# Altium PCB CalibratorPCB_v1.PcbDoc (part 3 of 3)
Units mm, origin at the board's own origin, x right, y up, seen from the top; angles counter-clockwise.
Board outline 100 x 100 mm, 4 copper layers (Top Layer, GND Layer, Power Layer, Bottom Layer), stack 1.526 mm thick; 212 components, 158 nets, 815 pads, 422 vias.
Unrouted connection lines stored in the file: 1.
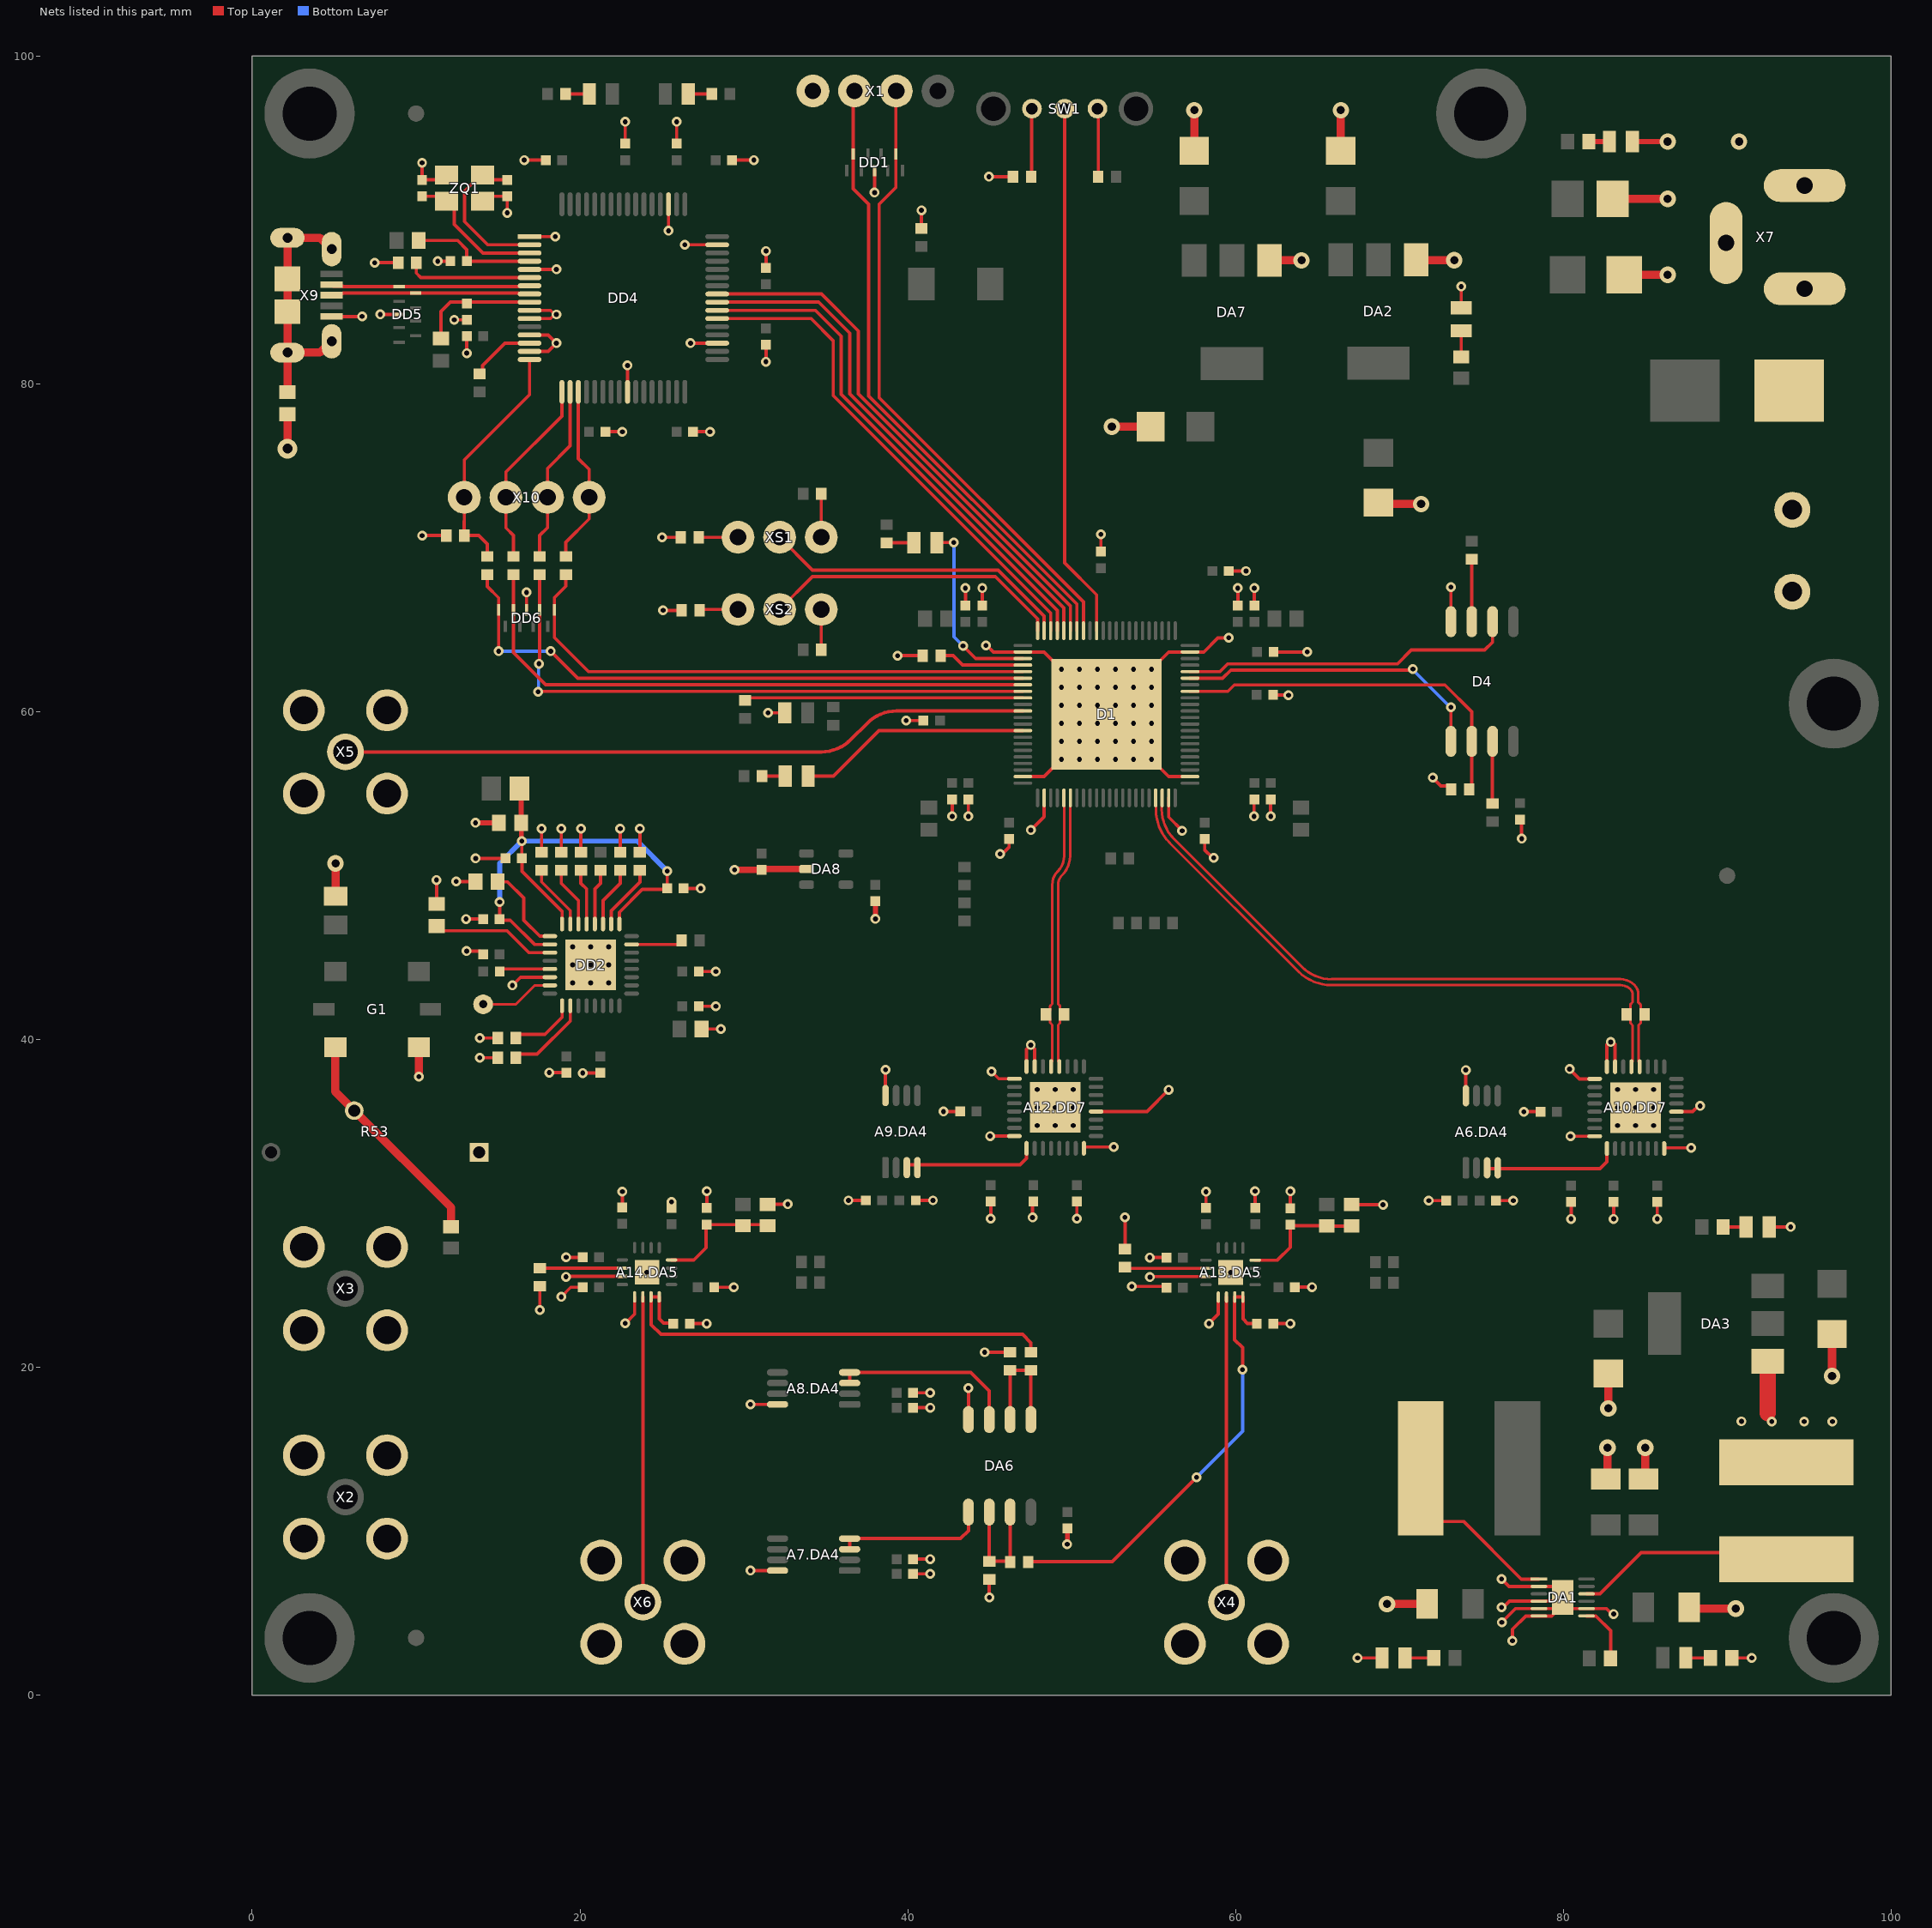
[diagram p5: the nets of this part, all layers, seen from the top]

## Via types
v1: diameter 0.6, hole 0.3, Top Layer to Bottom Layer, tented both sides, 330 vias
v2: diameter 0.6, hole 0.3, Top Layer to Bottom Layer, 65 vias
v3: diameter 1, hole 0.5, Top Layer to Bottom Layer, tented both sides, 25 vias
v4: diameter 2, hole 1, Top Layer to Bottom Layer, tented both sides, 1 vias
v5: diameter 1.2, hole 0.6, Top Layer to Bottom Layer, tented both sides, 1 vias

## Nets (pads, with @x,y where several pads share a name; then routed paths per layer and width w, separated by ;. In a path a pad name is that pad's centre, name@x,y a point inside that pad or via, vN(x,y) a via of type N, cw(c..) or ccw(c..) an arc to the next point about the centre after c; other vN are vias at no path point) (continued)
GND: A6.C40.1 A6.C41.1 A6.DA4.8 A7.C40.1 A7.C41.1 A7.DA4.8 A8.C40.1 A8.C41.1 A8.DA4.8 A9.C40.1 A9.C41.1 A9.DA4.8 A10.C62.2 A10.C63.2 A10.C64.2 A10.C65.2 A10.DD7.9 A10.DD7.16 A10.DD7.24 A10.DD7.28 A10.DD7.33 A12.C62.2 A12.C63.2 A12.C64.2 A12.C65.2 A12.DD7.9 A12.DD7.16 A12.DD7.24 A12.DD7.28 A12.DD7.33 A13.C55.2 A13.C56.1 A13.C57.2 A13.C58.2 A13.C59.2 A13.C60.2 A13.C61.2 A13.DA5.1 A13.DA5.15 A13.DA5.17 A13.R45.1 A13.R47.1 A14.C55.2 A14.C56.1 A14.C57.2 A14.C58.2 A14.C59.2 A14.C60.2 A14.C61.2 A14.DA5.1 A14.DA5.15 A14.DA5.17 A14.R45.1 A14.R47.1 C1.2 C2.2 C3.2 C4.2 C5.2 C6.2 C7.2 C9.1 C10.1 C11.2 C12.1 C13.2 C14.2 C15.2 C16.2 C17.1 C18.1 C19.2 C20.1 C21.2 C22.1 C23.2 C24.1 C25.2 C26.1 C27.2 C28.2 C29.1 C30.1 C31.1 C32.1 C33.1 C34.1 C35.2 C36.2 C37.2 C38.2 C39.2 C42.2 C43.1 C44.2 C45.2 C46.2 C47.1 C48.1 C49.1 C50.1 C51.1 C52.1 C53.1 C54.1 C66.1 C67.2 C68.2 C69.1 C70.1 D1.2 D1.21 D1.24 D1.43 D1.46 D1.65 D1.89 D3.1 D4.4 D5.1 D7.1 D8.1 D9.1 DA1.2 DA1.4 DA1.5 DA1.6 DA1.8 DA1.13 DA2.1 DA3.1 DA6.4 DA7.1 DA8.2 DD1.3 DD2.22 DD2.33 DD4.1 DD4.5 DD4.10 DD4.11 DD4.13 DD4.15 DD4.25 DD4.35 DD4.47 DD4.51 DD5.3 DD6.3 G1.2 L7.2 L8.2 R4.1 R5.1 R8.1 R9.1 R13.1 R16.1 R17.1 R18.1 R19.1 R20.1 R21.1 R22.1 R27.1 R29.2 R34.2 R42.2 R50.1 R52.1 R53.1 VD1.2 X1.4 X2.2 X2.3 X2.4 X2.5 X3.2 X3.3 X3.4 X3.5 X4.2 X4.3 X4.4 X4.5 X5.2 X5.3 X5.4 X5.5 X6.2 X6.3 X6.4 X6.5 X7.2 X7.3 X8.1 X9.5 ZQ1.2 ZQ1.4 | length 284
  Top Layer w0.2: X9.5@4.85,84.117 v1(6.706,84.117) ; v1(7.473,87.4) R34.2@8.914,87.4 ; v1(7.82,84.247) 8.42,84.247 8.425,84.242 DD5.3@8.973,84.242 ; v1(10.367,93.495) C48.1@10.367,92.456 11.569,92.456 ZQ1.2@11.86,92.747 ; v1(10.371,70.753) R42.2@11.838,70.753 ; C11.2@11.25,48.283 v1(11.25,49.739) ; v1(11.32,87.492) C49.1@12.093,87.492 ; v1(12.331,83.917) C54.1@13.093,83.917 ; v1(12.453,49.646) C10.1@13.623,49.646 ; v1(13.055,47.359) C28.2@14.101,47.359 ; v1(13.088,45.403) 13.906,45.403 C14.2@14.101,45.209 ; v1(13.093,81.879) C44.2@13.093,82.917 ; v1(13.633,51.054) C27.2@15.449,51.054 ; v1(13.893,38.896) R16.1@14.981,38.896 ; v1(13.893,40.095) R17.1@14.981,40.095 ; ZQ1.4@14.06,91.147 14.369,91.456 C47.1@15.556,91.456 15.566,91.446 v1(15.566,90.441) ; v1(15.882,43.309) 15.882,43.319 16.372,43.809 DD2.22@18.258,43.809 ; v1(16.598,93.662) C46.2@17.908,93.662 ; DD6.3@16.741,66.215 v1(16.741,67.284) ; DD4.15@16.925,81.992 18.065,81.992 v1(18.565,82.492) 18.065,82.992 DD4.13@16.925,82.992 ; DD4.11@16.925,83.992 18.206,83.992 v1@18.456,84.242 ; DD4.10@16.925,84.492 18.206,84.492 v1@18.456,84.242 ; DD4.5@16.925,86.992 v1(18.565,86.992) ; DD4.1@16.925,88.992 v1(18.49,88.992) ; v1(17.549,23.507) A14.R45.1@17.549,24.957 ; R20.1@17.658,51.437 v1(17.658,52.865) ; v1(18.126,37.989) 19.149,37.989 C15.2@19.168,37.971 ; v1(18.565,84.242) v1@18.456,84.242 ; v1(18.858,24.306) 19.439,24.888 A14.C58.2@20.17,24.888 ; R19.1@18.858,51.437 v1(18.858,52.865) ; v1(19.152,25.532) 19.177,25.557 A14.DA5.15@22.587,25.557 ; v1(19.156,26.719) A14.C59.2@20.17,26.719 ; R18.1@20.058,51.437 v1(20.058,52.865) ; v1(20.168,37.963) 21.234,37.963 C16.2@21.242,37.971 ; C50.1@21.549,77.088 v1(22.586,77.088) ; R21.1@22.458,51.437 v1(22.458,52.865) ; A14.C61.2@22.587,29.757 v1(22.587,30.732) ; C53.1@22.759,94.662 v1(22.759,95.995) ; v1(22.765,22.688) 23.337,23.26 A14.DA5.1@23.337,24.307 ; DD4.25@22.9,79.517 v1(22.9,81.128) ; R22.1@23.658,51.437 v1(23.658,52.865) ; v1(25.017,70.648) R4.1@26.15,70.648 ; v1(25.074,66.188) R5.1@26.2,66.188 ; v1(25.4,89.348) DD4.51@25.4,90.967 ; A14.C60.2@25.587,29.741 25.587,30.096 v1(25.589,30.098) ; C42.2@25.901,94.662 v1(25.901,95.995) ; C26.1@26.329,49.225 v1(27.371,49.225) ; v1(26.4,88.492) DD4.47@28.375,88.492 ; A14.C55.2@26.7,22.675 v1(27.732,22.675) ; v1(26.75,82.492) DD4.35@28.375,82.492 ; C51.1@26.9,77.088 v1(27.935,77.088) ; C12.1@27.25,42.032 v1(28.292,42.032) ; C13.2@27.25,44.156 v1(28.292,44.156) ; C17.1@27.425,40.646 v1(28.593,40.646) ; A14.C56.1@27.729,29.725 27.745,29.741 v1(27.745,30.757) ; A14.C57.2@28.192,24.888 v1(29.392,24.888) ; C43.1@29.273,93.662 v1(30.61,93.662) ; v1(30.405,7.608) A7.DA4.8@32.056,7.608 ; v1(30.405,17.747) A8.DA4.8@32.056,17.747 ; v1(31.35,81.356) C45.2@31.35,82.392 ; C52.1@31.35,87.081 31.357,87.087 v1(31.357,88.114) ; A14.R47.1@31.448,29.95 31.459,29.961 v1(32.674,29.961) ; v1(31.47,59.934) D3.1@32.495,59.934 ; v1(36.384,30.192) A9.C40.1@37.44,30.192 ; v1(37.977,91.681) DD1.3@37.977,93.032 ; A9.DA4.8@38.642,36.765 v1(38.642,38.156) ; v1(39.385,63.425) R13.1@40.911,63.425 ; v1(39.911,59.465) C5.2@40.961,59.465 ; A8.C41.1@40.327,18.452 v1(41.377,18.452) ; A7.C40.1@40.328,7.406 v1(41.377,7.406) ; A7.C41.1@40.328,8.308 v1(41.377,8.308) ; A8.C40.1@40.328,17.545 v1(41.378,17.545) ; A9.C41.1@40.494,30.192 v1(41.54,30.192) ; R9.1@40.835,89.498 v1(40.835,90.598) ; v1(42.182,35.615) A12.C62.2@43.204,35.615 ; v1(42.715,53.621) C20.1@42.715,54.659 ; C18.1@43.523,66.49 v1(43.523,67.547) ; v1(43.704,53.621) C21.2@43.704,54.659 ; DA6.4@43.705,16.826 v1(43.705,18.746) ; C19.2@44.55,66.49 v1(44.55,67.547) ; v1(44.7,20.926) R50.1@46.245,20.926 ; v1(44.775,64.05) 44.824,64.05 45.224,63.65 48.325,63.65 v2(49.375,62.6) ; v1(44.957,92.645) R8.1@46.432,92.645 ; v1(44.975,5.961) R52.1@44.975,7.076 ; v1(45.024,34.115) A12.DD7.16@46.504,34.115 ; v1(45.067,29.073) A12.C63.2@45.067,30.118 ; v1(45.11,38.059) 45.554,37.615 A12.DD7.9@46.504,37.615 ; v1(45.63,51.324) 45.707,51.4 45.826,51.4 46.19,51.764 46.19,52.24 C3.2@46.198,52.247 ; D1.21@47.025,56.05 48.325,56.05 v2(49.375,57.1) D1.89@52.125,59.85 ; v1(47.509,52.785) 48.325,53.6 D1.24@48.325,54.75 ; v1(47.617,29.15) 47.617,30.07 A12.C64.2@47.665,30.118 ; v1(50.325,29.073) A12.C65.2@50.325,30.118 ; A12.DD7.24@50.749,33.473 50.772,33.45 v1(52.575,33.45) ; A12.DD7.28@51.494,35.615 54.597,35.615 v1(55.925,36.942) ; C6.2@51.791,69.77 v1(51.791,70.825) ; A13.R45.1@53.259,27.22 v1(53.259,29.155) ; v1(53.678,24.945) 55.715,24.945 A13.C58.2@55.784,24.876 ; v1(54.77,26.707) A13.C59.2@55.784,26.707 ; v1(54.783,25.51) 54.817,25.545 A13.DA5.15@58.201,25.545 ; D1.43@55.925,54.75 55.925,53.58 v1@56.742,52.763 ; D1.46@57.225,56.05 55.925,56.05 D1.89@52.125,59.85 ; C4.2@58.117,52.247 58.117,51.58 58.601,51.096 v1(58.674,51.096) ; A13.C61.2@58.201,29.745 v1(58.201,30.72) ; v1(58.379,22.676) 58.951,23.248 A13.DA5.1@58.951,24.295 ; C1.2@59.59,68.59 v1(60.644,68.59) ; v1(59.593,64.519) 59.582,64.507 58.925,64.507 58.068,63.65 55.925,63.65 v2(54.875,62.6) D1.89@52.125,59.85 ; C25.2@60.142,66.49 v1(60.142,67.547) ; v1(61.129,53.621) 61.129,54.641 C23.2@61.147,54.659 ; C24.1@61.147,66.49 v1(61.147,67.547) ; v1(61.195,30.758) 61.195,29.735 A13.C60.2@61.201,29.729 ; v1(62.147,53.621) C22.1@62.147,54.659 ; C2.2@62.295,61.027 62.304,61.018 v1(63.236,61.018) ; A13.C55.2@62.301,22.676 v1(63.347,22.676) ; C7.2@62.323,63.656 62.329,63.65 v1(64.375,63.65) ; A13.C56.1@63.343,29.713 63.347,29.717 v1(63.347,30.746) ; A13.C57.2@63.625,24.9 v1(64.675,24.9) ; A13.R47.1@67.129,29.925 v1(69,29.925) ; v1(67.451,2.274) D5.1@68.94,2.274 ; v1(71.796,30.181) A6.C40.1@72.852,30.18 ; v1(72.037,55.984) 72.037,55.972 72.525,55.483 72.942,55.483 R27.1@73.159,55.266 ; D4.4@73.145,65.5 v1(73.145,67.607) ; D8.1@73.773,84.65 v1(73.773,85.947) ; A6.DA4.8@74.054,36.753 v1(74.054,38.144) ; A6.C41.1@75.905,30.18 v1(76.951,30.18) ; v1(76.24,5.372) 76.348,5.372 76.714,5.737 79.741,5.737 DA1.13@79.966,5.963 79.966,6.082 79.411,6.638 76.69,6.638 v1(76.24,7.087) ; v1(76.25,4.45) 77.087,5.288 DA1.13@79.411,5.288 ; v1(76.9,3.325) 76.9,4.027 77.71,4.838 79.294,4.838 79.411,4.955 DA1.13@79.411,5.288 ; C30.1@77.35,53.429 77.457,53.322 v1(77.457,52.261) ; v1(77.594,35.603) A10.C62.2@78.615,35.603 ; DA1.13@79.801,5.797 79.801,5.677 DA1.13@79.411,5.288 ; DA1.13@80.202,5.607 80.521,5.288 82.636,5.288 82.968,4.955 v1(83.077,4.955) ; v1(80.386,38.203) 80.986,37.603 A10.DD7.9@81.916,37.603 ; v1(80.436,34.103) A10.DD7.16@81.916,34.103 ; v1(80.479,29.061) A10.C63.2@80.479,30.106 ; v1(83.077,29.061) A10.C64.2@83.077,30.106 ; v1(85.737,29.061) A10.C65.2@85.737,30.106 ; A10.DD7.24@86.161,33.423 86.184,33.4 v1(87.8,33.4) ; A10.DD7.28@86.906,35.603 87.898,35.603 88.248,35.954 v1(88.357,35.954) ; R29.2@90.287,2.274 v1(91.501,2.274) ; D9.1@92.56,28.575 v1(93.875,28.575)
  Top Layer w0.3: v1(13.628,53.226) C29.1@15.058,53.226 ; v1(38.03,47.368) C70.1@38.03,48.443 ; v1(49.728,9.217) 49.739,9.228 49.739,10.165 C66.1@49.749,10.176 ; D7.1@84.215,94.79 v3(86.37,94.79)
  Top Layer w0.4: v1(29.43,50.356) C69.1@31.073,50.356 ; C69.1@31.077,50.325 cw(c31.27,50.133) 31.27,50.405 DA8.2@33.826,50.405 ; C69.1@31.077,50.387 cw(c31.108,50.355) C69.1@31.108,50.4
  Top Layer w0.5: v5(2.15,76.055) v5(2.15,76.055) 2.151,78.149 L8.2@2.153,78.15 ; C9.1@5.088,48.75 v3(5.088,50.752) ; v1(10.175,37.75) G1.2@10.175,39.541 ; v3(52.454,77.396) C68.2@54.819,77.396 ; C67.2@57.482,94.226 v3(57.482,96.705) ; DA7.1@62.082,87.546 v3(64.025,87.546) ; C36.2@66.424,94.226 v3(66.424,96.705) ; C37.2@68.725,72.759 68.804,72.68 v3(71.327,72.68) ; v3(69.245,5.571) C32.1@71.695,5.571 ; DA2.1@71.025,87.575 71.05,87.55 v3(73.35,87.55) ; C31.1@82.599,13.191 82.7,13.291 v3(82.7,15.1) ; v3(82.749,17.5) C39.2@82.749,19.629 ; C35.2@83.015,91.295 v3(86.37,91.295) ; VD1.2@83.715,86.66 v3(86.37,86.66) ; C33.1@84.902,13.191 85.002,13.291 v3(85.002,15.1) ; C34.1@87.682,5.372 87.766,5.288 v3(90.525,5.288) ; v3(96.4,19.471) C38.2@96.4,22.05
  Top Layer w1: 92.475,17.225 DA3.1@92.475,20.379
  Bottom Layer w0.4: v1@29.325,50.4 ccw(c29.43,50.505) v1(29.43,50.356)
  other v1: 80,5.925 92.725,16.701 94.7,16.701 96.425,16.701 90.875,16.712 56.742,52.747
  other v2: 59.701,25.795 24.087,25.807 47.899,34.765 48.999,34.765 50.099,34.765 83.311,34.753 84.411,34.753 85.511,34.753 83.311,35.853 84.411,35.853 85.511,35.853 47.899,35.865 48.999,35.865 50.099,35.865 47.899,36.965 48.999,36.965 50.099,36.965 83.311,36.953 84.411,36.953 85.511,36.953 19.558,43.459 20.658,43.459 21.758,43.459 19.558,44.559 20.658,44.559 21.758,44.559 19.558,45.659 20.658,45.659 21.758,45.659 50.475,57.1 51.575,57.1 52.675,57.1 53.775,57.1 54.875,57.1 49.375,58.2 50.475,58.2 51.575,58.2 52.675,58.2 53.775,58.2 54.875,58.2 49.375,59.3 50.475,59.3 51.575,59.3 52.675,59.3 53.775,59.3 54.875,59.3 49.375,60.4 50.475,60.4 51.575,60.4 52.675,60.4 53.775,60.4 54.875,60.4 49.375,61.5 50.475,61.5 51.575,61.5 52.675,61.5 53.775,61.5 54.875,61.5 50.475,62.6 51.575,62.6 52.675,62.6 53.775,62.6
  other v3: 90.727,94.79
HeaderUart_RX: D1.81 DD1.6 X1.2 | length 38.5
  Top Layer w0.2: X1.2@39.3,97.875 39.277,97.852 DD1.6@39.277,94.032 39.277,91.988 38.257,90.967 38.257,79.171 50.725,66.703 D1.81@50.725,64.95
HeaderUart_TX: D1.82 DD1.9 X1.3 | length 38.6
  Top Layer w0.2: X1.3@36.76,97.875 36.677,97.792 DD1.9@36.677,94.032 36.677,91.91 37.621,90.967 37.621,79.269 50.325,66.566 D1.82@50.325,64.95
JTAG_FTDI_TCK: DD4.16 R41.2 R42.1 X10.4 | length 14.8
  Top Layer w0.2: R41.2@14.341,69.478 14.341,70.238 13.821,70.758 12.943,70.758 R42.1@12.938,70.753 12.938,71.638 12.942,71.642 X10.4@12.942,73.083 12.942,75.363 16.925,79.347 DD4.16@16.925,81.492
JTAG_FTDI_TDI: DD4.17 R40.2 X10.3 | length 11.6
  Top Layer w0.2: R40.2@15.941,69.478 15.941,70.758 15.482,71.217 X10.3@15.482,73.083 15.482,74.627 18.9,78.046 DD4.17@18.9,79.517
JTAG_FTDI_TDO: DD4.18 R39.2 X10.2 | length 10.8
  Top Layer w0.2: R39.2@17.541,69.478 17.541,70.758 18.022,71.238 X10.2@18.022,73.083 18.022,74.847 19.4,76.226 DD4.18@19.4,79.517
JTAG_FTDI_TMS: DD4.19 R38.2 X10.1 | length 10.9
  Top Layer w0.2: R38.2@19.141,69.478 19.141,70.349 20.562,71.77 X10.1@20.562,73.083 20.562,74.792 19.9,75.453 DD4.19@19.9,79.517
JTAG_TCK: D1.6 DD6.5 R41.1 | length 37.6
  Top Layer w0.2: R41.1@14.341,68.378 14.341,67.652 15.041,66.952 DD6.5@15.041,66.215 v1(15.041,63.7) ; v1(18.216,63.7) 19.866,62.05 D1.6@47.025,62.05
  Bottom Layer w0.2: v1(15.041,63.7) v1(18.216,63.7)
JTAG_TDI: D1.7 DD6.4 R40.1 | length 36.7
  Top Layer w0.2: R40.1@15.941,68.378 DD6.4@15.941,66.215 15.941,63.607 17.898,61.65 D1.7@47.025,61.65
JTAG_TDO: D1.8 DD6.2 R39.1 | length 36.8
  Top Layer w0.2: v1(17.441,61.221) 17.47,61.25 D1.8@47.025,61.25 ; v1(17.5,62.932) 17.541,62.973 DD6.2@17.541,66.215 R39.1@17.541,68.378
  Bottom Layer w0.2: v1(17.441,61.221) 17.471,61.251 17.471,62.903 v1(17.5,62.932)
JTAG_TMS: D1.5 DD6.1 R38.1 | length 33.6
  Top Layer w0.2: R38.1@19.141,68.378 19.141,67.659 18.441,66.959 DD6.1@18.441,66.215 18.441,64.524 20.515,62.45 D1.5@47.025,62.45
JTAGSEL_N: D1.4 R13.2 | length 5.3
  Top Layer w0.2: R13.2@42.011,63.425 42.771,63.425 43.346,62.85 D1.4@47.025,62.85
LED_FPGA1: D1.3 D2.1 | length 11.5
  Top Layer w0.2: D2.1@41.779,70.322 41.782,70.326 v1(42.811,70.326) ; v1(43.375,64.021) 44.146,63.25 D1.3@47.025,63.25
  Bottom Layer w0.2: v1@42.824,70.327 42.824,64.571 v1(43.375,64.021)
LED_FPGA2: D1.14 D12.1 | length 14.2
  Top Layer w0.2: D12.1@33.925,56.075 35.475,56.075 38.25,58.85 D1.14@47.025,58.85
MCLK: D1.59 D4.6 R27.2 | length 22.8
  Top Layer w0.2: D1.59@57.225,61.25 59.538,61.25 59.931,61.643 72.782,61.643 74.415,60.01 D4.6@74.415,58.2 74.415,55.423 R27.2@74.259,55.266
MISO: D1.62 D4.2 | length 20.5
  Top Layer w0.2: D1.62@57.225,62.45 59.054,62.45 59.523,62.919 69.88,62.919 70.726,63.765 75.2,63.765 75.685,64.25 D4.2@75.685,65.5
MODE0: D1.88 XS2.2 | length 18.4
  Top Layer w0.2: XS2.2@32.183,66.248 34.182,68.248 45.347,68.248 47.925,65.671 D1.88@47.925,64.95
MODE1: D1.87 XS1.2 | length 19
  Top Layer w0.2: XS1.2@32.183,70.648 34.183,68.648 45.51,68.648 48.325,65.834 D1.87@48.325,64.95
MOSI: D1.61 D4.5 | length 19.2
  Top Layer w0.2: D1.61@57.225,62.05 59.216,62.05 59.716,62.55 70.772,62.55 v1(70.827,62.605) ; D4.5@73.145,58.2 v1(73.145,60.28)
  Bottom Layer w0.2: v1(70.827,62.605) 70.827,62.554 73.101,60.28 v1(73.145,60.28)
NetA6.DA4_3: A6.DA4.3 A6.DA4.4 A10.DD7.17 | length 8.4
  Top Layer w0.2: A6.DA4.3@75.354,32.178 75.4,32.132 82.237,32.132 82.661,32.556 A10.DD7.17@82.661,33.358 A10.DD7.17@82.661,33.478
NetA7.DA4_3: A7.DA4.3 A7.DA4.4 DA6.5 | length 9.2
  Top Layer w0.21: A7.DA4.3@36.456,8.908 A7.DA4.4@36.456,9.558 43.221,9.558 43.705,10.042 DA6.5@43.705,11.176
NetA8.DA4_3: A8.DA4.3 A8.DA4.4 DA6.3 | length 11.4
  Top Layer w0.21: A8.DA4.3@36.456,19.047 A8.DA4.4@36.456,19.697 43.841,19.697 44.975,18.563 DA6.3@44.975,16.826
NetA9.DA4_3: A9.DA4.3 A9.DA4.4 A12.DD7.17 | length 8.2
  Top Layer w0.225: A9.DA4.3@39.942,32.365 46.853,32.365 47.249,32.762 A12.DD7.17@47.249,33.37 A12.DD7.17@47.249,33.49
NetA10.DD7_7: A10.DD7.7 A10.DD7.8 | length 3.3
  Top Layer w0.2: A10.DD7.8@82.661,38.228 A10.DD7.8@82.661,38.348 82.661,39.691 82.822,39.852 v1(82.895,39.852) ; A10.DD7.7@83.161,38.228 A10.DD7.7@83.161,38.348 v1@83.161,39.727
NetA12.DD7_7: A12.DD7.7 A12.DD7.8 | length 3.1
  Top Layer w0.2: A12.DD7.8@47.249,38.24 A12.DD7.8@47.249,38.36 47.249,39.412 v1(47.508,39.67) 47.749,39.429 A12.DD7.7@47.749,38.36 A12.DD7.7@47.749,38.24
NetA13.C55_1: A13.C55.1 A13.DA5.3 A13.DA5.4 R51.1 | length 27.6
  Top Layer w0.21: R51.1@47.35,8.125 47.375,8.15 52.478,8.15 v1(57.619,13.291) ; v1(60.429,19.867) 60.429,21.215 59.951,21.693 A13.DA5.3@59.951,24.295 A13.DA5.4@60.451,24.295 60.451,22.961 60.731,22.682 61.296,22.682 A13.C55.1@61.301,22.676
  Bottom Layer w0.21: v1(57.619,13.291) 60.429,16.102 v1(60.429,19.867)
NetA13.C56_2: A13.C56.2 A13.DA5.8 A13.R46.1 A13.R47.2 | length 7.6
  Top Layer w0.2: A13.DA5.8@61.201,26.545 62.565,26.545 63.343,27.323 A13.C56.2@63.343,28.713 63.407,28.649 A13.R46.1@65.568,28.649 ; A13.R46.1@65.593,28.613 A13.R47.2@67.068,28.613
  Top Layer w0.3: A13.R46.1@65.568,28.638 A13.R46.1@65.593,28.613
NetA13.DA5_14: A13.DA5.14 A13.R45.2 | length 5
  Top Layer w0.2: A13.R45.2@53.259,26.12 53.334,26.045 A13.DA5.14@58.201,26.045
NetA14.C55_1: A14.C55.1 A14.DA5.3 A14.DA5.4 R49.1 | length 28.7
  Top Layer w0.21: A14.C55.1@25.63,22.694 25.106,22.694 24.837,22.963 A14.DA5.4@24.837,24.307 A14.DA5.3@24.337,24.307 24.337,22.613 24.935,22.015 47.015,22.015 47.515,21.515 R49.1@47.515,20.926
NetA14.C56_2: A14.C56.2 A14.DA5.8 A14.R46.1 A14.R47.2 | length 7.6
  Top Layer w0.2: A14.DA5.8@25.587,26.557 26.951,26.557 27.692,27.297 27.692,28.688 A14.C56.2@27.729,28.725 27.746,28.709 31.371,28.709 A14.R47.2@31.454,28.625
NetA14.DA5_14: A14.DA5.14 A14.R45.2 | length 5
  Top Layer w0.2: A14.R45.2@17.549,26.057 A14.DA5.14@22.587,26.057
NetC8_2: C8.2 DD2.21 | length 3.2
  Top Layer w0.2: C8.2@15.101,44.108 15.301,44.309 DD2.21@18.258,44.309
NetC10_2: C10.2 DD2.17 | length 5.5
  Top Layer w0.2: C10.2@14.976,49.646 14.991,49.63 15.583,49.63 16.566,48.647 16.566,47.292 17.549,46.309 DD2.17@18.258,46.309
NetC11_1: C11.1 DD2.19 | length 7.7
  Top Layer w0.2: C11.1@11.25,46.933 11.537,46.646 15.543,46.646 16.879,45.309 DD2.19@18.258,45.309
NetC26_2: C26.2 C27.1 C28.1 C29.2 DD2.9 DD2.16 DD2.18 L5.1 | length 33.6
  Top Layer w0.2: C28.1@15.101,47.359 v1(15.101,48.395) ; C28.1@15.105,47.363 15.183,47.285 15.749,47.285 17.225,45.809 DD2.18@18.258,45.809 ; v1(16.449,52.113) C27.1@16.449,51.054 16.472,51.031 16.472,50.264 18.908,47.828 DD2.16@18.908,46.959 ; DD2.9@22.408,46.959 22.408,47.768 23.803,49.163 25.266,49.163 C26.2@25.329,49.225 v1(25.329,50.282)
  Top Layer w0.3: L5.1@16.304,55.326 16.408,55.221 C29.2@16.408,53.226 16.428,53.206 16.428,52.133 v1(16.449,52.113)
  Bottom Layer w0.3: v1(15.101,48.395) 15.101,50.765 v1(16.449,52.113) 23.498,52.113 v1(25.329,50.282)
NetD2_2: D2.2 R10.1 | length 1.7
  Top Layer w0.2: R10.1@38.714,70.314 38.722,70.322 D2.2@40.379,70.322
NetD4_3: D4.3 R25.2 | length 3.8
  Top Layer w0.2: D4.3@74.415,65.5 R25.2@74.415,69.3
NetD4_7: D4.7 R26.2 | length 3.9
  Top Layer w0.2: D4.7@75.668,58.2 75.668,54.369 R26.2@75.683,54.354
NetD5_2: D5.2 R28.2 | length 1.8
  Top Layer w0.2: D5.2@70.34,2.274 R28.2@72.095,2.274
NetD6_2: D6.2 R29.1 | length 1.7
  Top Layer w0.2: D6.2@87.3,2.274 R29.1@88.987,2.274
NetD7_2: D7.2 R31.1 | length 1.2
  Top Layer w0.3: R31.1@81.565,94.79 D7.2@82.815,94.79
NetD8_2: D8.2 R32.1 | length 1.6
  Top Layer w0.2: R32.1@73.773,81.65 D8.2@73.773,83.25
NetD9_2: D9.2 R33.1 | length 1.4
  Top Layer w0.2: R33.1@89.754,28.575 D9.2@91.16,28.575
NetD10_2: D10.2 R36.1 | length 1.4
  Top Layer w0.2: R36.1@19.128,97.698 D10.2@20.578,97.698
NetD11_2: D11.2 R37.1 | length 1.4
  Top Layer w0.2: D11.2@26.602,97.698 R37.1@28.052,97.698
NetD12_2: D12.2 R60.1 | length 1.4
  Top Layer w0.2: R60.1@31.1,56.075 D12.2@32.525,56.075
NetDA1_1: DA1.1 L6.2 | length 11.2
  Top Layer w0.2: L6.2@71.3,13.85 71.3,11.905 72.6,10.605 73.92,10.605 77.438,7.087 DA1.1@78.515,7.087
NetDA1_7: DA1.7 R30.1 | length 3.5
  Top Layer w0.2: DA1.7@81.418,4.838 81.989,4.838 82.887,3.939 R30.1@82.887,2.249
NetDA1_10: DA1.10 L7.1 | length 13.4
  Top Layer w0.2: DA1.10@81.418,6.188 82.237,6.188 84.749,8.699 93.217,8.699 L7.1@93.606,8.31
NetDA6_1: DA6.1 DA6.2 R49.2 R50.2 | length 7.3
  Top Layer w0.21: DA6.2@46.245,16.826 R50.2@46.245,19.826 R49.2@47.515,19.826 DA6.1@47.515,16.826
NetDA6_6: DA6.6 DA6.7 R51.2 R52.2 | length 7.3
  Top Layer w0.21: DA6.6@44.975,11.176 R52.2@44.975,8.176 46.245,8.176 DA6.7@46.245,11.176
NetDD2_7: DD2.7 R14.1 | length 3.3
  Top Layer w0.16: R14.1@25.955,45.757 26.2,46.002 R14.1@26.2,46.05
  Top Layer w0.2: DD2.7@23.058,45.809 R14.1@25.955,45.809
NetDD2_10: DD2.10 R22.2 | length 4.1
  Top Layer w0.2: DD2.10@21.908,46.959 21.908,47.865 23.658,49.615 R22.2@23.658,50.337
NetDD2_11: DD2.11 R21.2 | length 3.8
  Top Layer w0.2: DD2.11@21.408,46.959 21.408,48.493 22.458,49.543 R21.2@22.458,50.337
NetDD2_12: DD2.12 R23.1 | length 3.5
  Top Layer w0.2: DD2.12@20.908,46.959 20.908,49.193 21.258,49.543 R23.1@21.258,50.337
NetDD2_13: DD2.13 R18.2 | length 3.5
  Top Layer w0.2: R18.2@20.058,50.337 20.058,49.543 20.408,49.193 DD2.13@20.408,46.959
NetDD2_14: DD2.14 R19.2 | length 3.8
  Top Layer w0.2: R19.2@18.858,50.337 18.858,49.543 19.908,48.493 DD2.14@19.908,46.959
NetDD2_15: DD2.15 R20.2 | length 4.1
  Top Layer w0.2: R20.2@17.658,50.337 17.658,49.625 19.408,47.875 DD2.15@19.408,46.959
NetDD2_23: DD2.23 X11.1 | length 4.5
  Top Layer w0.157: X11.1@14.094,42.159 16.087,42.159 17.237,43.309 DD2.23@18.163,43.309
NetDD2_25: DD2.25 R17.2 | length 4.2
  Top Layer w0.2: R17.2@16.081,40.095 16.3,40.314 17.867,40.314 18.908,41.355 DD2.25@18.908,42.159
NetDD2_26: DD2.26 R16.2 | length 5.3
  Top Layer w0.2: R16.2@16.081,38.896 16.304,39.119 17.39,39.119 19.408,41.137 DD2.26@19.408,42.159
NetDD4_6: DD4.6 R34.1 | length 7.7
  Top Layer w0.2: R34.1@10.014,87.4 10.014,86.766 10.289,86.492 DD4.6@16.925,86.492
NetDD4_14: DD4.14 R35.1 | length 4
  Top Layer w0.2: R35.1@13.87,80.625 14.057,80.812 14.057,81.133 15.416,82.492 DD4.14@16.925,82.492
NetG1_1: G1.1 R24.1 R53.2 | length 13.9
  Top Layer w0.5: G1.1@5.075,39.541 5.075,36.82 R53.2@6.225,35.67 12.137,29.758 R24.1@12.137,28.588
NetL8_1: L8.1 X9.6 | length 16
  Top Layer w0.5: L8.1@2.153,79.5 2.151,79.501 2.151,81.916 X9.6@2.15,81.917 ; X9.6@4.85,82.917 4.85,82.633 4.135,81.917 X9.6@2.15,81.917 ; X9.6@4.85,87.917 4.85,88.201 4.135,88.917 X9.6@2.15,88.917 X9.6@2.15,86.417 X9.6@2.15,84.417 X9.6@2.15,81.917
NetR1_1: R1.1 XS1.1 | length 2.7
  Top Layer w0.2: XS1.1@34.723,70.648 R1.1@34.723,73.3
NetR2_1: R2.1 XS2.1 | length 2.5
  Top Layer w0.2: R2.1@34.723,63.779 XS2.1@34.723,66.248
NetR4_2: R4.2 XS1.3 | length 2.4
  Top Layer w0.2: R4.2@27.25,70.648 XS1.3@29.643,70.648
NetR5_2: R5.2 XS2.3 | length 2.4
  Top Layer w0.2: R5.2@27.3,66.188 27.36,66.248 XS2.3@29.643,66.248
NetR7_1: R7.1 SW1.1 | length 4.1
  Top Layer w0.2: R7.1@51.618,92.645 51.628,92.655 SW1.1@51.628,96.741
NetR8_2: R8.2 SW1.3 | length 4.1
  Top Layer w0.2: R8.2@47.532,92.645 47.567,92.68 SW1.3@47.567,96.741
Node_Clk: D1.11 X5.1 | length 42.1
  Top Layer w0.21: X5.1@5.69,57.555 34.725,57.555 ccw(c34.725,60.095) 36.521,58.299 37.528,59.306 cw(c39.324,57.51) 39.324,60.05 D1.11@47.025,60.05
OSCI: C47.2 DD4.2 ZQ1.1 | length 9.5
  Top Layer w0.2: C47.2@15.556,92.456 14.351,92.456 ZQ1.1@14.06,92.747 13.935,92.747 12.956,91.769 12.956,89.905 14.369,88.492 DD4.2@16.925,88.492
OSCO: C48.2 DD4.3 ZQ1.3 | length 8.5
  Top Layer w0.2: C48.2@10.367,91.456 11.551,91.456 ZQ1.3@11.86,91.147 12.331,90.677 12.331,89.741 14.08,87.992 DD4.3@16.925,87.992
"Power Input": FU1.1 X7.1 X8.2
RECONFIG_N: D1.9 R12.1 | length 17
  Top Layer w0.2: R12.1@30.075,60.69 30.235,60.85 D1.9@47.025,60.85
SMA_Voltage_1: A13.DA5.2 X4.1 | length 18.6
  Top Layer w0.21: X4.1@59.451,5.675 A13.DA5.2@59.451,24.295
SMA_Voltage_2: A14.DA5.2 X6.1 | length 18.6
  Top Layer w0.21: X6.1@23.837,5.675 23.837,20.4 ; 23.837,20.4 A14.DA5.2@23.837,24.306
SPI_CS: D1.83 DD4.41 | length 33.2
  Top Layer w0.2: DD4.41@28.375,85.492 34.728,85.492 36.988,83.232 36.988,79.398 49.925,66.461 D1.83@49.925,64.95
SPI_DI: D1.84 DD4.40 | length 32.4
  Top Layer w0.2: DD4.40@28.375,84.992 34.566,84.992 36.458,83.1 36.458,79.398 49.525,66.332 D1.84@49.525,64.95
Trigger1_N: A10.DD7.5 A10.R48.1 D1.41 | length 39.7
  Top Layer w0.157: D1.41@55.125,54.75 55.125,54.279 ccw(c55.161,54.279) D1.41@55.135,54.253 ; D1.41@55.135,54.253 cw(c55.109,54.227) 55.146,54.227 55.146,54.04 ccw(c58.04,54.04) 55.994,51.993 63.812,44.175 ccw(c65.858,46.221) 65.858,43.327 71.796,43.327 78.293,43.327 83.49,43.327 cw(c83.49,42.465) 84.1,43.075 cw(c83.796,42.771) 84.226,42.771 84.226,42.288 84.106,42.169 84.106,41.787 A10.R48.1@83.862,41.542 84.108,41.296 84.108,40.996 84.233,40.872 ; A10.DD7.5@84.161,38.228 A10.DD7.5@84.161,38.348 A10.DD7.5@84.161,38.578 ; A10.DD7.5@84.232,38.649 84.232,40.872
Trigger1_P: A10.DD7.4 A10.R48.2 D1.42 | length 39.7
  Top Layer w0.157: D1.42@55.514,54.253 ccw(c55.54,54.227) 55.503,54.227 55.503,54.041 ccw(c58.043,54.041) 56.247,52.245 64.063,44.428 ccw(c65.859,46.225) 65.859,43.685 70.412,43.685 71.796,43.685 79.43,43.685 82.036,43.685 83.494,43.685 cw(c83.494,42.474) 84.35,43.33 84.354,43.326 cw(c83.8,42.773) 84.583,42.773 84.583,42.27 84.716,42.137 84.716,41.787 A10.R48.2@84.962,41.542 84.715,41.296 84.715,40.997 84.59,40.872 ; D1.42@55.514,54.253 ccw(c55.488,54.279) 55.525,54.279 D1.42@55.525,54.75 ; A10.DD7.4@84.591,38.649 84.591,40.872 ; A10.DD7.4@84.661,38.228 A10.DD7.4@84.661,38.348 A10.DD7.4@84.661,38.578
Trigger2_N: A12.DD7.5 A12.R48.1 D1.27 | length 17
  Top Layer w0.157: A12.DD7.5@48.749,38.24 A12.DD7.5@48.749,38.36 A12.DD7.5@48.749,38.59 ; A12.DD7.5@48.82,38.661 48.82,40.9 48.693,41.028 48.693,41.296 A12.R48.1@48.446,41.542 48.693,41.789 48.693,42.058 48.818,42.183 48.818,49.443 cw(c50.003,49.443) 49.165,50.281 ; D1.27@49.525,54.75 49.525,54.263 49.546,54.242 49.546,51.2 cw(c48.249,51.2) 49.166,50.282 ; 49.165,50.281 49.166,50.282
Trigger2_P: A12.DD7.4 A12.R48.2 D1.28 | length 16.9
  Top Layer w0.157: A12.DD7.4@49.179,38.661 49.179,40.9 49.3,41.022 49.3,41.296 A12.R48.2@49.546,41.542 49.3,41.789 49.3,42.058 49.175,42.183 49.175,49.442 cw(c50.007,49.442) 49.419,50.03 49.419,50.031 ccw(c48.252,51.198) 49.903,51.198 49.903,54.242 49.925,54.263 D1.28@49.925,54.75 ; A12.DD7.4@49.249,38.24 A12.DD7.4@49.249,38.36 A12.DD7.4@49.249,38.59
UART_RX_SPI_DO: D1.85 DD4.39 | length 31.6
  Top Layer w0.2: DD4.39@28.375,84.492 34.363,84.492 35.934,82.921 35.934,79.38 49.125,66.189 D1.85@49.125,64.95
UART_TX_SPI_CLK: D1.86 DD4.38 | length 30.8
  Top Layer w0.2: DD4.38@28.375,83.992 34.11,83.992 35.45,82.652 35.45,79.305 48.725,66.031 D1.86@48.725,64.95
USB_N: DD4.7 DD5.1 X9.2 | length 12.1
  Top Layer w0.2: X9.2@4.85,86.067 4.95,85.967 5.517,85.967 5.542,85.942 16.273,85.942 16.323,85.992 DD4.7@16.925,85.992
USB_P: DD4.8 DD5.9 X9.3 | length 12.1
  Top Layer w0.2: X9.3@4.85,85.417 4.95,85.517 5.517,85.517 5.542,85.542 16.273,85.542 16.323,85.492 DD4.8@16.925,85.492
UserSwitch: D1.79 SW1.2 | length 32.7
  Top Layer w0.2: SW1.2@49.578,96.796 49.578,69.081 51.525,67.134 D1.79@51.525,64.95
VPHY: C49.2 DD4.4 L9.2 | length 7.7
  Top Layer w0.2: L9.2@10.155,88.754 12.541,88.754 13.093,88.201 C49.2@13.093,87.492 DD4.4@16.925,87.492
VPLL: C54.2 DD4.9 L10.2 | length 7.3
  Top Layer w0.2: L10.2@11.523,82.769 11.523,84.417 12.098,84.992 DD4.9@16.925,84.992
pads on no net: A10.DD7.3 A10.DD7.6 A10.DD7.11 A10.DD7.12 A10.DD7.14 A10.DD7.15 A12.DD7.3 A12.DD7.6 A12.DD7.11 A12.DD7.12 A12.DD7.14 A12.DD7.15 D1.13 D1.34 D1.38 DA8.5 DD1.1 DD1.2 DD1.4 DD1.5 DD1.7 DD1.8 DD2.2 DD2.3 DD2.8 DD2.24 DD2.28 DD2.29 DD4.21 DD4.22 DD4.23 DD4.24 DD4.26 DD4.27 DD4.28 DD4.29 DD4.30 DD4.32 DD4.33 DD4.34 DD4.36 DD4.43 DD4.44 DD4.45 DD4.46 DD4.48 DD4.52 DD4.53 DD4.57 DD4.58 DD4.59 DD4.60 DD4.61 DD4.62 DD4.63 DD5.2 DD5.4 DD5.5 DD5.6 DD5.7 DD5.8 DD6.6 DD6.7 DD6.8 DD6.9 G1.3 OTH1.0 OTH2.0 OTH3.0 R53.3 SW1. X9.1 X9.4

## Polygon pours and split planes (outlines as drawn)
+1V3 on Top Layer "Bottom GND Pour" (solid, remove dead copper, pour order 12): 35.26,48.918 35.247,50.111 35.741,50.605 36.637,50.605 37.711,51.543 41.87,51.543 43.134,50.804 43.134,50.279 42.341,50.111 41.733,49.63 39.372,49.63 38.916,49.282 37.523,49.282 36.799,48.696 36.218,48.696 35.482,48.696
Fused_5V on Top Layer "Top Fused 5V Poly" (solid, remove dead copper, pour order 11): 58.64,86.098 55.925,86.098 55.925,92.645 68.019,92.628 68.316,92.925 80.312,92.925 80.312,89.713 68.163,89.713 67.625,89.175 67.625,86.098 65.452,86.098 64.892,86.658 64.892,89.501 64.018,90.375 59.525,90.375 58.64,89.49
+3V3 on Top Layer "3V3 LDO Tab" (solid, remove dead copper, pour order 4): 56.55,82.85 71.875,82.85 71.875,75.403 69.731,74.45 59.075,74.45 56.55,75.479
GND on Top Layer "Connector GND" (solid, remove dead copper, pour order 0): 90.179,85 89.871,85 81.961,85 81.986,89.206 81.663,89.529 81.663,92.905 84.11,93.335 84.11,95.925 95.3,95.925 97.287,94.701 98.425,92.8 98.425,90.65 97.662,89.206 96.125,88.35 92.746,88.35
"Power Input" on Top Layer "Connector Power" (solid, remove dead copper, pour order 3): 92.655,87.432 97.085,87.432 97.95,86.675 97.95,71.175 96.975,70.2 91.925,70.2 90.525,71.6 90.727,84.863
GND on Top Layer "L7 GND Poly" (solid, remove dead copper, pour order 7): 97.537,11.812 98.325,12.6 98.325,15.925 96.75,17.5 90.525,17.5 88.928,15.903 88.928,12.522 89.637,11.812
GND on Bottom Layer "Bottom GND" (solid, remove dead copper, pour order 9): 0,0 0,100 100,100 100,0
no net on Bottom Layer "Bottom GND Pour" (solid, remove dead copper, pour order 10): 48.759,63.216 55.493,63.216 55.493,56.484 48.756,56.484 48.756,63.219
+3V3 on Power Layer (split plane): 99.49,0.51 0.51,0.51 0.51,99.49 99.49,99.49
+5V on Power Layer (split plane): 66.335,22.796 66.335,16.904 66.343,16.865 66.365,16.832 75.301,7.896 75.301,7.462 74.744,6.905 74.117,6.905 65.139,15.883 65.139,22.239 65.131,22.278 65.109,22.311 64.184,23.236 64.126,23.294 64.093,23.316 64.054,23.324 20.479,23.324 20.479,24.32 64.811,24.32
+3V3_Analog on Power Layer (split plane): 66.512,31.25 66.52,31.211 66.542,31.178 73.976,23.744 74.009,23.722 74.048,23.714 81.048,23.714 81.048,22.661 81.048,21.352 74.251,21.352 64.925,30.678 64.18,31.423 64.146,31.445 64.107,31.453 20.352,31.453 20.352,32.466 65.559,32.466 65.575,32.463 65.59,32.466 66.512,32.466
-5V on Power Layer (split plane): 64.706,28.403 71.423,21.685 71.423,19.9 71.431,19.861 71.447,19.837 71.447,17.404 71.455,17.365 71.477,17.332 80.304,8.505 80.337,8.483 80.376,8.475 85.401,8.475 85.635,8.242 85.635,7.085 85.519,6.969 80.213,6.969 70.382,16.8 70.382,20.919 70.374,20.958 70.352,20.991 64.01,27.333 63.977,27.355 63.938,27.362 20.699,27.362 20.699,28.403
+1V3 on Power Layer (split plane): 42.329,51.169 42.614,50.884 42.614,48.235 42.621,48.196 42.643,48.162 44.603,46.203 44.636,46.181 44.675,46.173 56.558,46.173 56.848,45.883 56.848,45.442 56.526,45.12 43.006,45.12 41.247,46.879 39.209,48.916 39.176,48.939 39.137,48.946 35.669,48.946 35.367,49.248 35.367,50.903 35.911,51.447 42.051,51.447
Fused_5V on Power Layer (split plane): 77.228,92.828 77.869,92.187 77.869,73.699 77.877,73.66 77.899,73.627 97.633,53.893 97.633,26.204 97.633,24.877 88.375,15.619 88.353,15.586 88.345,15.547 88.345,11.176 88.345,11.014 87.808,10.477 79.642,10.477 79.352,10.767 79.352,11.982 86.358,11.982 86.397,11.99 86.43,12.012 86.906,12.488 86.928,12.521 86.936,12.56 86.936,16.769 95.017,24.85 95.039,24.883 95.047,24.922 95.047,26.175 95.047,52.339 95.039,52.378 95.017,52.412 74.724,72.705 74.724,88.124 74.716,88.163 74.694,88.196 73.596,89.294 73.563,89.316 73.524,89.324 68.661,89.324 67.883,90.102 67.883,92.439 68.467,93.023 77.033,93.023
GND on GND Layer (split plane): 99.49,0.51 0.51,0.51 0.51,99.49 99.49,99.49

## Other copper
Power Layer (plane layer: these items are gaps in the copper):
  lines w0.2: 65.575,32.565 65.578,32.568 ; 88.447,11.176 88.447,10.972 ; 65.578,32.568 66.614,32.568 66.614,31.25 74.048,23.816 81.15,23.816 81.15,22.661 81.15,21.25 74.209,21.25 64.853,30.605 64.107,31.351 21.975,31.351 20.25,31.351 20.25,32.568 21.02,32.568 65.578,32.568 ; 88.447,10.972 88.447,15.547 97.735,24.835 97.735,26.204 97.735,53.935 77.971,73.699 77.971,92.229 77.3,92.9 77.075,93.125 68.425,93.125 67.781,92.481 67.781,90.06 68.619,89.222 73.524,89.222 74.622,88.124 74.622,72.662 94.945,52.339 94.945,26.175 94.945,24.922 86.834,16.811 86.834,12.56 86.358,12.084 79.25,12.084 79.25,10.725 79.6,10.375 87.85,10.375 88.447,10.972 ; 20.377,23.222 64.054,23.222 64.112,23.164 65.037,22.239 65.037,15.84 74.074,6.803 74.787,6.803 75.403,7.419 75.403,7.938 66.437,16.904 66.437,22.838 64.853,24.422 20.377,24.422 20.377,23.222 ; 20.597,27.26 63.938,27.261 70.28,20.919 70.28,16.758 80.171,6.867 85.561,6.867 85.737,7.043 85.737,8.284 85.444,8.577 84.259,8.577 80.376,8.577 71.549,17.404 71.549,19.876 71.525,19.9 71.525,21.728 64.748,28.505 20.597,28.505 20.597,27.26 ; 35.265,49.206 35.626,48.844 39.137,48.844 41.175,46.806 42.964,45.018 52.095,45.018 56.568,45.018 56.95,45.4 56.95,45.9 56.95,45.925 56.6,46.275 44.675,46.275 42.715,48.235 42.715,50.927 42.401,51.241 42.093,51.549 35.869,51.549 35.265,50.945 35.265,49.206

## Silkscreen, mask and mechanical layers (free items; w line width, h text height)
Top Overlay:
  lines w0.15: 3.968,72.117 3.968,73.736 ; 6.189,72.105 6.189,73.762 ; 8.596,72.12 8.596,73.761 ; 32.165,67.814 32.165,69.167 ; 1.565,72.105 10.986,72.105 10.986,73.762 1.565,73.762 1.565,72.105 ; 30.386,67.814 33.868,67.814 33.868,69.167 30.386,69.167 30.386,67.814
  lines w0.2: 49.566,90.258 49.566,91.808 ; 85.3,69.8 88.358,69.8
  lines w0.254: 47.741,90.258 51.265,90.258 51.265,91.808 47.741,91.808 47.741,90.258 ; 85.3,64.825 88.358,64.825 88.358,74.825 85.3,74.825 85.3,64.825
  text "GND" at 33.175,95.35 h0.8
  text "TX" at 35.95,95.35 h0.8
  text "RX" at 38.55,95.35 h0.8
  text "3V3" at 40.975,95.35 h0.8
  text "1" at 50.355,90.685 h0.8
  text "0" at 48.416,90.658 h0.8
  text "3A Max" at 83.968,77.554 h0.8 r90
  text "+3V3" at 65.05,76.7 h0.7 r90
  text "JTAG" at 4.837,74.157 h0.8
  text "TCK" at 1.849,72.613 h0.7
  text "TDI" at 4.239,72.613 h0.7
  text "TDO" at 6.457,72.613 h0.7
  text "TMS" at 8.846,72.613 h0.7
  text "MODE_1" at 28.442,72.325 h0.6
  text "+5V" at 87.25,71.097 h0.8 r90
  text "0" at 30.96,68.155 h0.7
  text "1" at 33.031,68.155 h0.7
  text "GND" at 87.25,66.075 h0.8 r90
  text "MODE_0" at 28.442,63.95 h0.6
  text "Ext Clk" at 3.3,63.082 h0.7
  text "Calibrator_v2 /     2022" at 94.7,39.852 h0.8 r90
  text "HW: Vladislav Mikhailovsky / SW: Daniil Peshkov" at 98.725,34.753 h0.8 r90
  text "+3V3 Anlg" at 86.71,18.056 h0.7
  text "PLL Out" at 2.575,18.05 h0.7
  text "P" at 11.375,12.1 h0.7 r90
  text "+5V" at 68.34,3.475 h0.7
  text "-5V" at 88.461,3.475 h0.7
  text "Channel 2" at 29.4,1.175 h0.7
  text "Channel 1" at 47.975,1.175 h0.7
Board:
  the board outline again, w0.3

## Text inside footprints (layer, text, board x,y; h text height)
G1: Mechanical 13 "*" at 3.8,37.65 h1.27 r90; Top Overlay "*" at 3.779,37.644 h1.27 r90